# Altium PCB precursor_pvt2b.PcbDoc (part 3 of 7)
Units mm, origin at the board's own origin, x right, y up, seen from the top; angles counter-clockwise.
Board outline 62.8 x 62.65 mm, 6 copper layers (L1, L2, L3, L6, L7, L8), stack 0.693 mm thick; 424 components, 311 nets, 2038 pads, 2293 vias.
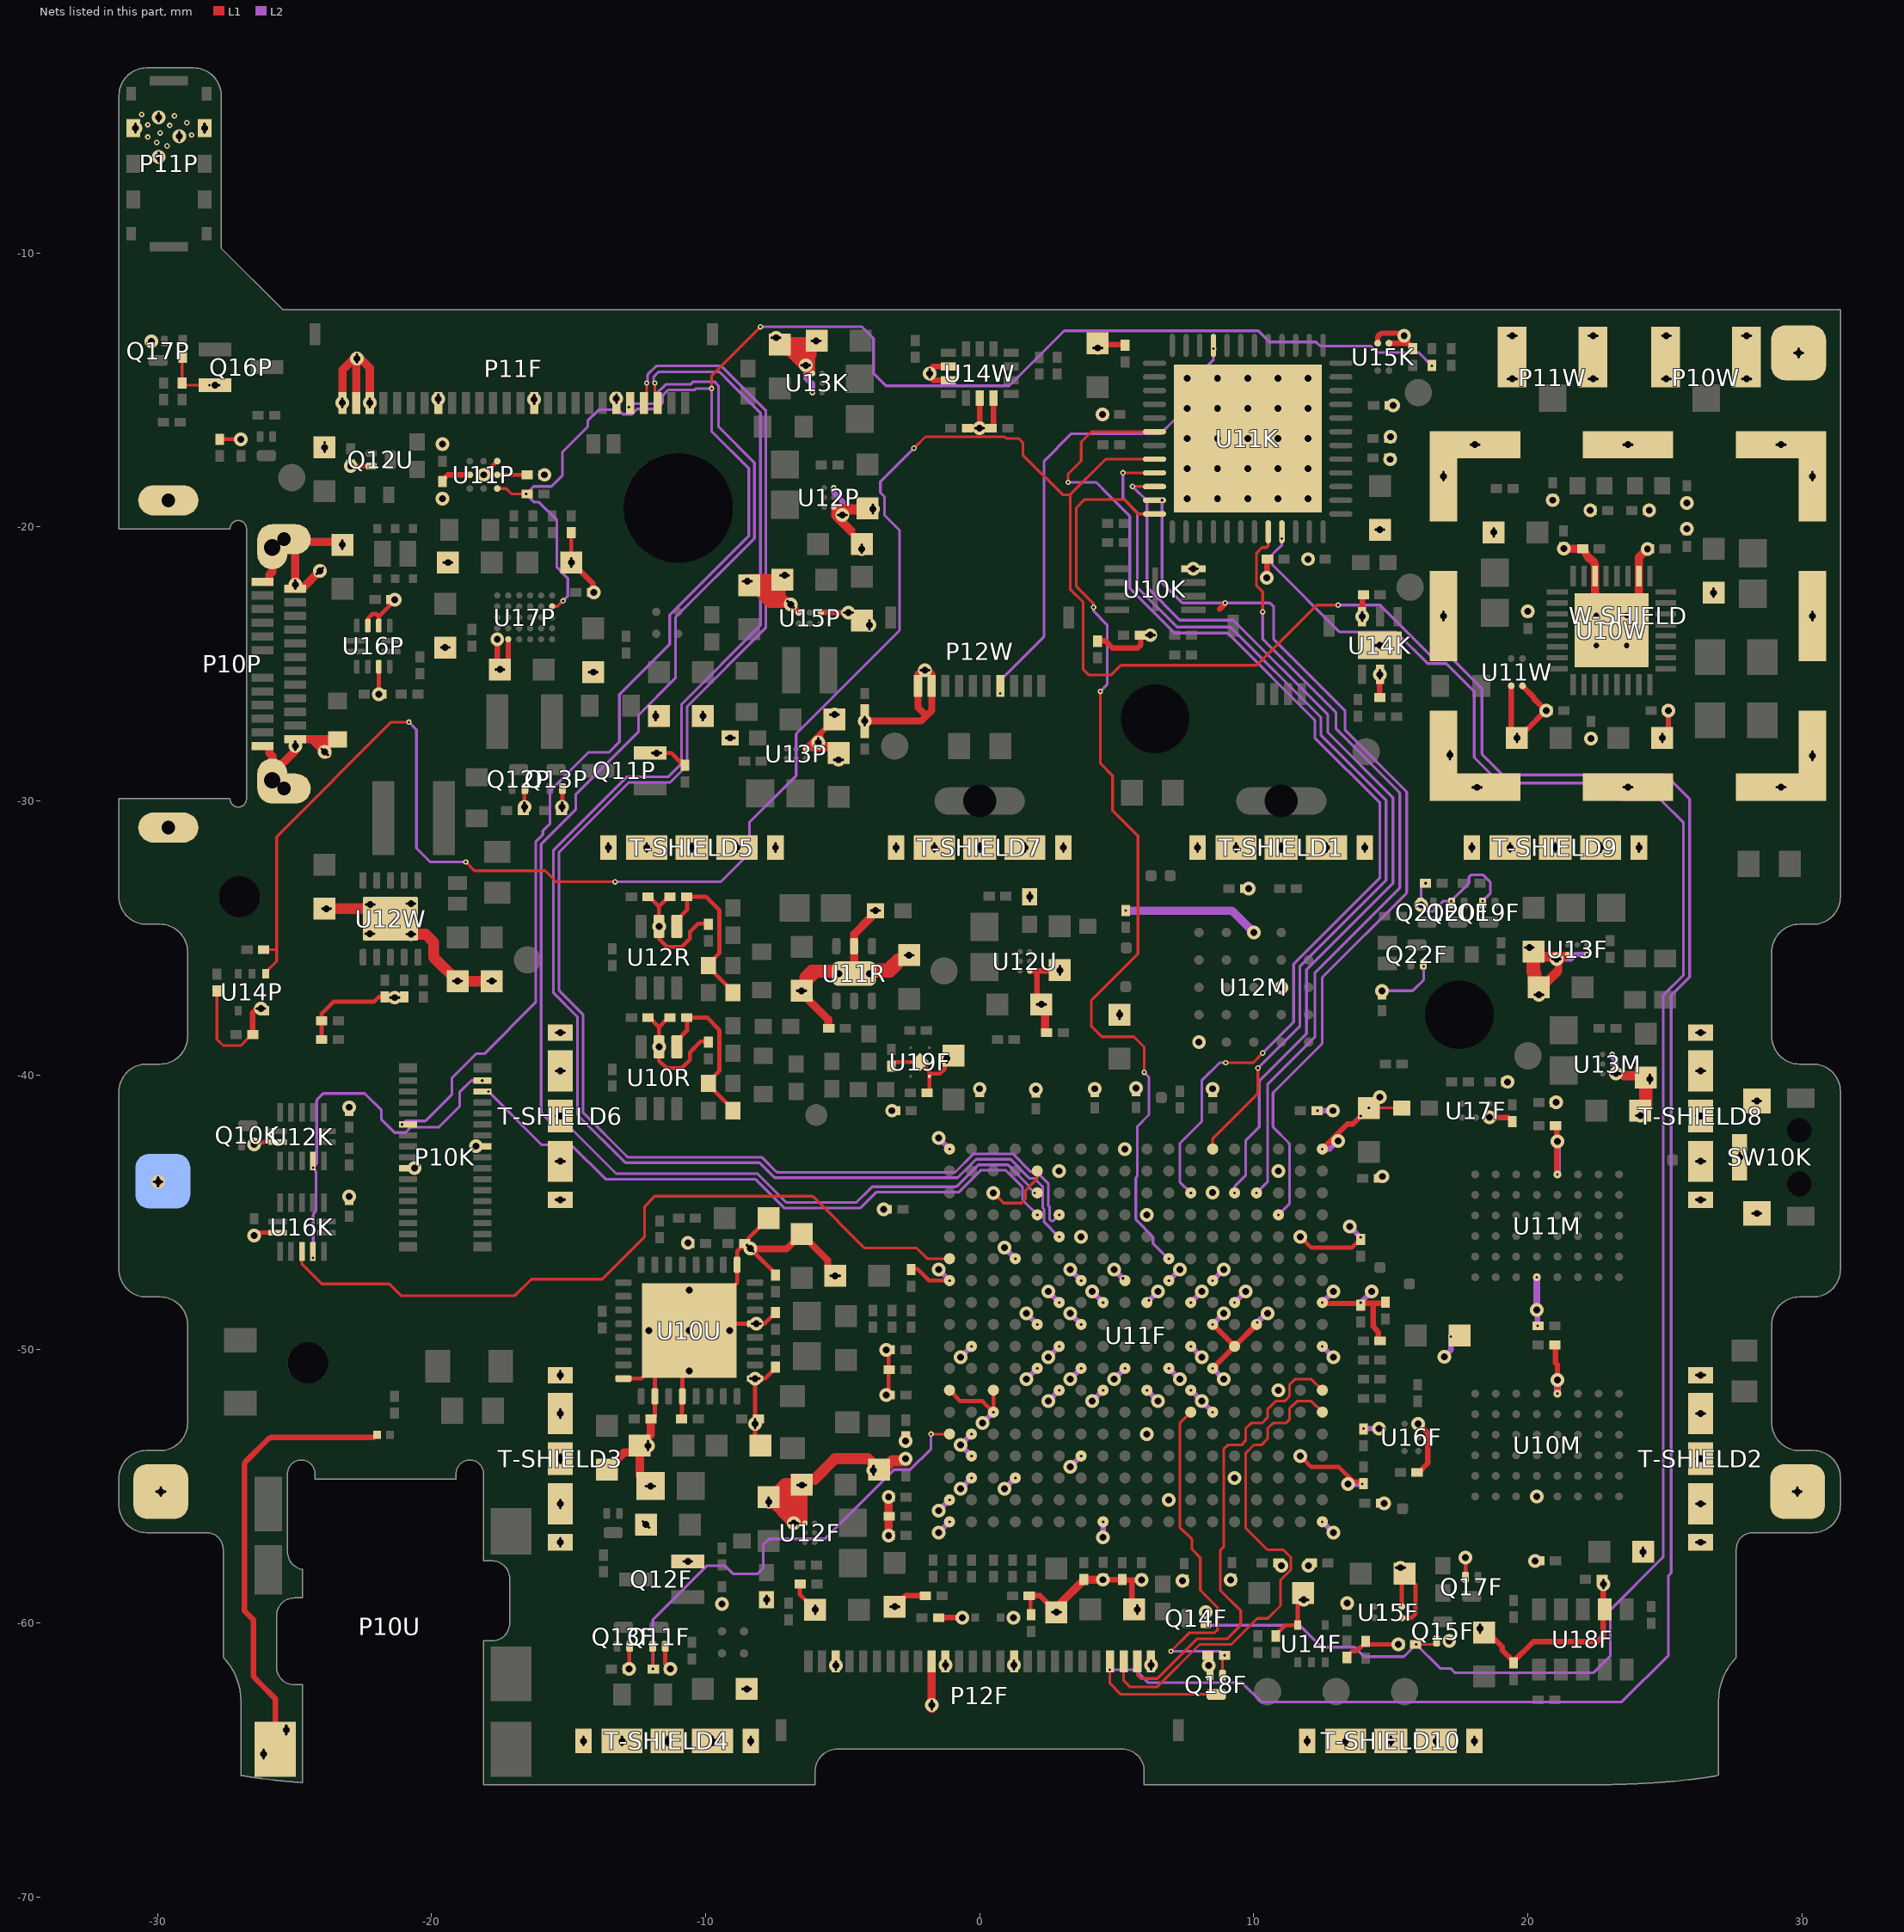
[diagram p7: the nets of this part, all layers, seen from the top]

## Via types
v1: diameter 0.2, hole 0.1, L1 to L2, tented both sides, 1440 vias
v2: diameter 0.5, hole 0.25, L2 to L7, tented both sides, 638 vias
v3: diameter 0.2, hole 0.1, L7 to L8, tented both sides, 179 vias
v4: diameter 0.5, hole 0.25, L1 to L8, 25 vias
v5: diameter 0.5, hole 0.25, L1 to L8, tented top, 5 vias
v6: diameter 0.5, hole 0.2, L1 to L8, 4 vias
v7: diameter 0.4, hole 0.25, L1 to L8, 2 vias

## Nets (pads, with @x,y where several pads share a name; then routed paths per layer and width w, separated by ;. In a path a pad name is that pad's centre, name@x,y a point inside that pad or via, vN(x,y) a via of type N, cw(c..) or ccw(c..) an arc to the next point about the centre after c; other vN are vias at no path point) (continued)
COL8: P10K.14 U11F.E15 | length 23.3
  L2 w0.1: v1(-17.925,-40.6) -15.975,-42.55 -14.9,-42.55 -13.65,-43.8 -8.192,-43.8 -7.142,-44.85 -4.35,-44.85 -3.775,-44.275 -0.767,-44.275 0.033,-43.475 0.95,-43.475 1.533,-44.058 cw(c1.463,-44.129) 1.563,-44.129 1.563,-44.521 ccw(c1.663,-44.521) 1.592,-44.592 v1(2.1,-45.1)
COL9: U11F.A13 U16K.10 | length 27.6
  L1 w0.1: U16K.10@-24.725,-46.44 -24.725,-46.9 -24,-47.625 -21.541,-47.625 -21.116,-48.05 -16.953,-48.05 -16.353,-47.45 -13.774,-47.45 -12.225,-45.901 -12.225,-44.794 -11.856,-44.425 -6.131,-44.425 cw(c-6.131,-44.525) -6.06,-44.455 -4.231,-46.283 ccw(c-4.16,-46.213) -4.16,-46.313 -2.304,-46.313 -1.917,-46.7 U11F.A13@-1.1,-46.7
COL9_MUX: P10K.15 U12K.11 U16K.11 | length 13.9
  L2 w0.1: v1(-24.325,-46.675) ccw(c-24.412,-46.626) -24.312,-46.625 -24.312,-45.104 cw(c-24.212,-45.104) -24.283,-45.033 -24.241,-44.991 ccw(c-24.312,-44.921) -24.212,-44.921 -24.212,-43.556 ccw(c-24.312,-43.556) -24.241,-43.486 -24.325,-43.402 v1(-24.325,-43.375) -24.254,-43.304 -24.186,-43.236 -24.186,-43.14 -24.186,-40.953 cw(c-24.086,-40.953) -24.157,-40.882 -23.95,-40.675 -22.439,-40.675 -21.825,-41.289 -21.825,-41.625 -21.35,-42.1 -20.95,-42.1 -20.75,-41.9 -19.725,-41.9 -18.975,-41.15 -18.975,-40.625 -18.55,-40.2 v1(-18.15,-40.2)
COM_CIPO: U11F.P16 U11K.10 | length 34
  L1 w0.1: v1(5.575,-18.525) 5.576,-18.526 6.374,-18.526 U11K.10@6.376,-18.527
  L2 w0.1: v1(5.575,-18.525) 6.1,-19.05 6.1,-22.2 7.3,-23.4 9.209,-23.4 cw(c9.209,-23.5) 9.28,-23.43 12.67,-26.82 cw(c12.6,-26.891) 12.7,-26.891 12.7,-27.499 15.075,-29.874 15.075,-33.001 11.925,-36.151 11.925,-38.493 10.2,-40.218 10.2,-41.9 9.7,-42.4 9.7,-43.666 9.3,-44.066 v1(9.3,-44.3)
COM_COPI: U11F.N18 U11K.9 | length 33.6
  L1 w0.1: v1(5.225,-18.025) 5.226,-18.026 U11K.9@6.376,-18.027 U11K.9@6.376,-18.027 ; U11F.N18@8.5,-42.7 8.5,-42.325 10.15,-40.675 v1(10.15,-39.75)
  L2 w0.1: v1(5.225,-18.025) 5.225,-18.951 5.75,-19.476 5.75,-22.204 7.196,-23.65 9.105,-23.65 cw(c9.105,-23.75) 9.176,-23.68 12.42,-26.924 cw(c12.35,-26.995) 12.45,-26.995 12.45,-27.603 14.825,-29.978 14.825,-32.897 11.675,-36.047 11.675,-38.225 v1(10.15,-39.75)
COM_CS: U11F.T15 U11K.11 | length 34.4
  L1 w0.1: v1@8.95,-22.8 v1(8.95,-22.775)
  L1 w0.2: 8.75,-23 v1@8.95,-22.8
  L2 w0.1: v1(6.65,-19.025) 6.65,-22.043 7.353,-22.746 ccw(c7.424,-22.675) 7.424,-22.775 v1(8.95,-22.775) 10.545,-22.775 cw(c10.545,-22.875) 10.617,-22.805 10.727,-22.915 10.727,-24.102 13.331,-26.706 13.331,-27.382 ccw(c13.431,-27.382) 13.36,-27.453 15.575,-29.667 15.575,-33.321 cw(c15.475,-33.321) 15.546,-33.392 12.522,-36.415 ccw(c12.593,-36.486) 12.493,-36.486 12.493,-38.813 cw(c12.393,-38.813) 12.463,-38.884 10.729,-40.618 ccw(c10.8,-40.688) 10.7,-40.688 10.7,-41.859 ccw(c10.8,-41.859) 10.729,-41.929 11.27,-42.47 cw(c11.2,-42.541) 11.3,-42.541 11.3,-44.7 v1(10.9,-45.1)
COM_IRQ: U11F.M16 U11K.6 | length 40.8
  L1 w0.1: v1(3.225,-18.375) 3.225,-18.064 3.7,-17.589 3.7,-16.9 4.073,-16.527 U11K.6@6.376,-16.527 ; v1(8.975,-39.55) 9.975,-39.55 v1(10.325,-39.2)
  L2 w0.1: v1(3.225,-18.375) 4.25,-18.375 4.675,-18.8 5.445,-19.57 cw(c5.375,-19.641) 5.475,-19.641 ; 5.475,-19.641 5.475,-22.247 7.103,-23.875 9.012,-23.875 cw(c9.012,-23.975) 9.083,-23.905 12.195,-27.017 cw(c12.125,-27.088) 12.225,-27.087 12.225,-27.696 14.6,-30.071 14.6,-32.804 11.45,-35.954 11.45,-38.075 v1(10.325,-39.2) ; v1(7.7,-44.3) 7.3,-43.9 7.3,-42.5 8.1,-41.7 8.1,-40.2 8.75,-39.55 v1(8.975,-39.55)
COM_SCLK: U11F.R16 U11K.20 | length 28.7
  L1 w0.1: v1(10.321,-23.1) 10.321,-22.371 10.1,-22.15 10.1,-20.95 10.3,-20.75 10.467,-20.75 10.526,-20.691 U11K.20@10.526,-20.177
  L2 w0.1: v1(10.1,-44.3) 10.5,-43.9 10.5,-40.342 12.225,-38.617 12.225,-36.275 15.294,-33.206 ccw(c15.224,-33.135) 15.324,-33.135 15.324,-29.74 ccw(c15.224,-29.74) 15.294,-29.669 13,-27.375 13,-26.816 ccw(c12.9,-26.816) 12.97,-26.745 10.35,-24.125 cw(c10.421,-24.055) 10.321,-24.055 v1(10.321,-23.1)
CRESET_B: P12F.4 Q18F.3 R22P.1 U11K.8 U14P.1 | length 150.6
  L1 w0.1: R22P.1@-26.12,-35.425 -25.658,-35.425 -25.65,-35.417 ; U14P.1@-26.05,-36.3 -26.05,-36.25 -25.65,-35.85 -25.65,-35.417 ; v1(-20.825,-27.125) -21.471,-27.125 -25.65,-31.304 -25.65,-35.417 ; v1(-18.75,-32.225) -18.425,-32.55 -15.85,-32.55 -15.454,-32.946 v1@-13.301,-32.946 ; v1(-2.4,-17.125) -1.985,-16.71 0.91,-16.71 0.975,-16.775 1.425,-16.775 1.575,-16.925 1.575,-17.375 3.025,-18.825 3.3,-18.825 ; P12F.4@4.75,-61.4 v1(4.75,-61.7) 4.75,-62.2 5.15,-62.6 Q18F.3@8.63,-62.6 ; U11K.8@6.376,-17.527 4.598,-17.527 3.3,-18.825 ; v1(13.075,-22.85) 12.3,-22.85 10.1,-25.05 5.15,-25.05 4.8,-25.4 3.975,-25.4 3.775,-25.2 3.775,-22.75 3.3,-22.275 3.3,-18.825
  L2 w0.1: v1(-20.825,-27.125) -20.55,-27.4 -20.55,-31.725 -20.05,-32.225 v1(-18.75,-32.225) ; v1@-13.301,-32.946 -9.446,-32.946 -8.4,-31.9 -8.4,-30.775 -6.7,-29.075 -6.7,-27.55 -2.925,-23.775 -2.925,-20.125 -3.475,-19.575 -3.475,-18.9 -3.625,-18.75 -3.625,-18.35 v1(-2.4,-17.125) ; v1(4.75,-61.7) 5.675,-61.7 6.15,-62.175 9.575,-62.175 10.275,-62.875 23.425,-62.875 25.125,-61.175 25.125,-58.267 25.225,-58.167 25.225,-37.101 25.9,-36.426 25.9,-29.933 25.017,-29.05 19.076,-29.05 18.354,-28.328 cw(c18.425,-28.257) 18.325,-28.257 18.325,-25.932 ccw(c18.225,-25.932) 18.296,-25.861 17.134,-24.7 16.459,-24.7 14.611,-22.852 v1@13.079,-22.852
  other v1: -13.301,-32.951
CRESET_B_F: Q18F.1 R33F.2 U11F.M6 | length 13.5
  L1 w0.1: v1(6.975,-61.025) 7.65,-60.35 8.575,-60.35 8.675,-60.25 8.675,-59.425 8.05,-58.8 8.05,-57.612 7.746,-57.308 7.746,-56.946 7.3,-56.5 7.3,-52.7 U11F.M6@7.7,-52.3 ; Q18F.1@8.86,-61.9 8.86,-61.245 v1(8.93,-61.175)
  L2 w0.1: v1(6.975,-61.025) 8.78,-61.025 v1(8.93,-61.175)
CTR_NOISE0: C15R.2 R17R.1 R18R.2 U12R.1 | length 6.2
  L1 w0.15: U12R.1@-11.05,-34.575 -11.05,-34.35 -10.675,-33.975 -10.675,-33.5 -9.975,-33.5 -9.5,-33.975 -9.5,-35.56 -9.9,-35.96 R17R.1@-9.9,-36 -9.7,-36.2 -9.7,-36.26 -9,-36.96 C15R.2@-9,-37
CTR_NOISE1: C10R.2 R12R.1 R13R.2 U10R.1 | length 6.1
  L1 w0.15: U10R.1@-11.05,-38.975 -11.05,-38.75 -10.675,-38.375 -10.675,-37.9 -9.95,-37.9 -9.5,-38.35 -9.5,-39.86 -9.9,-40.26 R12R.1@-9.9,-40.3 -9.7,-40.5 -9.7,-40.56 -9,-41.26 C10R.2@-9,-41.3
EC_HOLD: U11F.L13 U11K.12 | length 34.7
  L1 w0.1: v1(4.152,-22.928) 4.152,-22.802 3.525,-22.175 3.525,-19.3 3.825,-19 5.25,-19 5.777,-19.527 U11K.12@6.376,-19.527 ; v1(4.4,-26) 4.4,-28.625 4.85,-29.075 4.85,-30.35 5.775,-31.275 5.775,-35.575 4.075,-37.275 4.075,-38.225 4.45,-38.6 5.625,-38.6 6,-38.975 v1(6,-39.9)
  L2 w0.1: v1(4.152,-22.928) 4.152,-23.077 4.65,-23.575 4.65,-25.75 v1(4.4,-26) ; v1(6,-39.9) 6.175,-40.075 6.175,-41.45 5.75,-41.875 5.75,-43.687 5.723,-43.714 ccw(c5.794,-43.785) 5.694,-43.785 5.694,-45.234 ccw(c5.794,-45.234) 5.723,-45.304 6.325,-45.906 6.325,-46.15 6.875,-46.7 v1(6.9,-46.7)
EXTCOMMIN: P12W.7 U11K.45 | length 18.1
  L2 w0.1: v1(0.75,-26.075) 0.75,-25.641 cw(c0.85,-25.641) 0.779,-25.571 2.321,-24.029 ccw(c2.25,-23.959) 2.35,-23.959 2.35,-17.592 3.342,-16.6 6.6,-16.6 7.1,-16.1 7.85,-16.1 8.227,-15.723 8.227,-14.198 8.53,-13.895 v1(8.53,-13.498)
F_UART_RX: P12F.2 U11F.V7 | length 17.4
  L1 w0.1: P12F.2@5.75,-61.4 5.75,-61.9 5.875,-62.025 6.475,-62.025 7.925,-60.575 9.025,-60.575 9.525,-60.075 9.525,-59.55 8.775,-58.8 8.775,-57.35 8.9,-57.225 8.9,-53.65 9.05,-53.5 9.55,-53.5 9.7,-53.35 9.7,-52.9 9.9,-52.7 10.3,-52.7 10.5,-52.5 10.5,-52.198 10.798,-51.9 11.125,-51.9 11.3,-51.725 11.3,-51.3 11.5,-51.1 12.1,-51.1 U11F.V7@12.5,-51.5
F_UART_TX: P12F.3 U11F.V6 | length 18.7
  L1 w0.1: P12F.3@5.25,-61.4 5.25,-62.1 5.475,-62.325 6.475,-62.325 8.025,-60.775 9.175,-60.775 10.125,-59.825 10.512,-59.825 10.975,-59.362 10.975,-58.425 11.35,-58.05 11.35,-57.6 11.075,-57.325 10.5,-57.325 9.7,-56.525 9.7,-53.798 9.953,-53.545 9.955,-53.545 10,-53.5 10.276,-53.5 10.5,-53.276 10.5,-52.9 10.7,-52.7 11.175,-52.7 11.3,-52.575 11.3,-52.175 11.575,-51.9 12.1,-51.9 U11F.V6@12.5,-52.3
FPGA_DIS: Q14F.1 Q15F.1 R23F.2 U11K.21 | length 69.7
  L1 w0.1: v1(15.925,-60.775) 16.596,-60.775 16.67,-60.701 Q15F.1@16.67,-60.65
  L2 w0.1: v1(8.35,-60.075) 11.671,-60.075 12.471,-60.875 13.675,-60.875 14.025,-61.225 15.475,-61.225 v1(15.925,-60.775) 16.8,-61.65 17.175,-61.65 17.31,-61.785 ccw(c17.381,-61.714) 17.381,-61.814 22.348,-61.814 ccw(c22.348,-61.714) 22.419,-61.785 23.001,-61.203 23.001,-59.524 24.901,-57.624 ccw(c24.83,-57.553) 24.93,-57.553 24.93,-54.064 24.93,-37.095 25.675,-36.35 25.675,-30.79 24.835,-29.95 23.45,-29.95 22.85,-29.35 18.975,-29.35 18.07,-28.445 cw(c18.141,-28.375) 18.041,-28.375 18.041,-26.05 ccw(c17.941,-26.05) 18.012,-25.979 17.017,-24.984 16.342,-24.984 15.194,-23.836 13.136,-23.836 10.675,-21.375 10.675,-21.002 11.025,-20.652 v1(11.025,-20.425)
FPGA_SYS_ON: Q11F.1 R14F.2 U11F.A5 | length 17.3
  L1 w0.1: Q11F.1@-11.93,-60.85 -11.93,-61.67 R14F.2@-11.925,-61.675 ; v1(-1.775,-53.1) U11F.A5@-1.1,-53.1
  L2 w0.1: v1(-11.92,-61.665) -11.92,-59.87 -9.95,-57.9 -9.3,-57.9 -9,-58.2 -8.1,-58.2 -7.9,-58 -7.9,-57.15 -7.675,-56.925 -5.65,-56.925 -3.125,-54.4 -2.875,-54.4 -2.534,-54.4 -1.775,-53.641 v1(-1.775,-53.1)
GG_BIN: R20P.1 U11P.B1 | length 1.1
  L1 w0.15: U11P.B1@-17.6,-18.1 R20P.1@-16.525,-18.1
GG_INT: P10K.26 R18P.2 R23K.1 U11P.A1 U17P.F4 | length 79.8
  L1 w0.1: U11P.A1@-17.6,-18.6 -17.275,-18.6 -17.075,-18.8 v1(-16.55,-18.8) ; U17P.F4@-15.6,-22.9 -15.4,-22.9 v1(-15.2,-22.7) ; v1(-9.779,-14.95) -9.775,-14.947 -9.775,-14.517 cw(c-9.675,-14.517) -9.746,-14.446 v1(-7.998,-12.698)
  L2 w0.1: v1(-21.075,-41.8) -20.95,-41.675 -20.225,-41.675 -19.25,-40.7 -19.25,-40.1 -18.375,-39.225 -18.075,-39.225 -16.2,-37.35 -16.2,-31.492 -15.934,-31.226 -15.934,-31.084 -15.675,-30.825 -15.675,-29.625 -14.275,-28.225 -13.525,-28.225 -13.143,-27.843 -13.143,-26.118 -11.309,-24.284 -11.309,-23.785 -11.309,-23.215 -8.425,-20.33 -8.425,-17.867 -9.779,-16.514 -9.779,-14.992 -9.775,-14.989 -9.775,-14.95 v1(-9.779,-14.95) -10.351,-14.95 -10.401,-15 -11.367,-15 -11.575,-15.208 -11.575,-15.475 -11.8,-15.7 -12.5,-15.7 -12.686,-15.886 -13.014,-15.886 -13.175,-15.725 -13.9,-15.725 -14.3,-16.125 -14.3,-16.35 -15.225,-17.275 -15.225,-18.125 -15.625,-18.525 -16.275,-18.525 v1(-16.55,-18.8) -16.25,-19.1 -16.075,-19.1 -15.425,-19.75 -15.425,-21.475 -15.025,-21.875 -15.025,-22.525 v1(-15.2,-22.7) ; v1(-7.998,-12.698) -7.996,-12.696 -4.301,-12.696 -3.877,-13.12 -3.877,-14.398 -3.425,-14.85 1.075,-14.85 3.052,-12.873 cw(c3.123,-12.944) 3.123,-12.844 10.127,-12.844 cw(c10.127,-12.944) 10.198,-12.873 10.575,-13.25 12.271,-13.25 12.421,-13.4 14.275,-13.4 14.508,-13.633 16.008,-13.633 v1(16.5,-14.125)
GG_VDD: C22P.1 U11P.B3 | length 1.1
  L1 w0.2: C22P.1@-19.6,-18.325 -19.6,-18.3 -19.4,-18.1 U11P.B3@-18.6,-18.1
GND: C10K.2 C10M.2 C10P.2 C10W.2 C11K.2 C11M.2 C11P.2 C11W.2 C12K.2 C12M.2 C12P.2 C12R.1 C12U.2 C12W.2 C13K.2 C13M.2 C13R.2 C13U.2 C13W.2 C14F.2 C14K.2 C14M.2 C14R.2 C14U.2 C14W.2 C15F.2 C15K.2 C15M.1 C15W.2 C16F.2 C16K.2 C16M.2 C16W.2 C17F.2 C17K.2 C17M.2 C17R.1 C17W.2 C18F.2 C18K.2 C18M.2 C18R.1 C18W.2 C19F.2 C19K.2 C19M.2 C19P.2 C19W.2 C20F.2 C20K.2 C20M.2 C20P.2 C20W.2 C21F.2 C21K.2 C21P.1 C21U.2 C21W.2 C22F.1 C22K.2 C22P.2 C22U.2 C22W.2 C23F.2 C23K.2 C23P.2 C23W.2 C24F.2 C24K.2 C24P.2 C24W.2 C25F.2 C25K.2 C25P.2 C25W.2 C26F.2 C26K.2 C26P.2 C26W.2 C27F.1 C27K.2 C27P.2 C27U.2 C27W.2 C28F.2 C28P.2 C28W.2 C29F.2 C29P.2 C29U.2 C29W.1 C30F.1 C30P.2 C30W.1 C31F.2 C31P.2 C31U.2 C31W.2 C32F.2 C32U.2 C32W.2 C33F.2 C33P.2 C33U.1 C33W.2 C34F.2 C34P.2 C34U.2 C35F.2 C35P.1 C35U.2 C36F.2 C36P.2 C36U.2 C37F.1 C37P.2 C37U.1 C38F.2 C38U.2 C39F.2 C40F.1 C41F.2 C42F.2 C43F.2 C44F.2 C45F.2 C46F.2 C47F.1 C48F.2 C49F.2 C50F.2 C51F.2 C52F.1 C53F.2 C54F.2 C55F.1 C56F.2 C57F.2 C58F.2 C59F.2 C60F.2 C61F.2 C62F.2 C63F.2 C64F.2 C65F.2 C66F.2 C67F.1 C68F.2 C69F.1 C70F.1 C71F.1 C72F.2 C73F.2 C74F.2 C75F.2 D10P.1 D11P.1 D11U.1 D12P.1 L11F.1 P10K.9 P10K.22 P10P.0 P10P.A1 P10P.A12 P10P.B1 P10P.B12 P10P.MID P10U.4 P10W.GND P11F.1 P11F.2 P11F.3 P11F.8 P11F.15 P11F.21 P11P.5 P11P.6 P11W.GND P12F.1 P12F.11 P12F.16 P12F.17 P12F.24 P12W.1 P12W.2 Q10K.2 Q11F.2 Q11P.2 Q12F.2 Q12P.2 Q12U.2 Q13F.2 Q13P.2 Q14F.2 Q15F.2 Q16P.2 Q17F.2 Q17P.2 Q18F.2 Q19F.2 Q20F.2 Q21F.2 Q22F.2 R10U.2 R11F.2 R11W.2 R12M.2 R13R.1 R14F.1 R14K.1 R14P.2 R14R.1 R14W.1 R15K.1 R16P.1 R16W.2 R17F.1 R18F.1 R18R.1 R19R.1 R20P.2 R20R.1 R23F.1 R23P.2 R25K.2 R25P.2 R26K.2 R26P.1 R26U.1 R27F.2 R27U.1 R28F.1 R28P.2 R29P.2 R33F.1 R35F.2 R36P.1 R39P.1 R40P.1 R41F.1 R42P.1 SW10K.2 SW10K.3 SW10K.4 T-SHIELD1.1 T-SHIELD2.1 T-SHIELD3.1 T-SHIELD4.1 T-SHIELD5.1 T-SHIELD6.1 T-SHIELD7.1 T-SHIELD8.1 T-SHIELD9.1 T-SHIELD10.1 TP12P.1 TP13P.1 TP14P.1 TP15P.1 U10K.4 U10M.D1 U10M.E6 U10R.2 U10U.1 U10U.16 U10U.18 U10U.20 U10U.25 U10U.29 U10U.33 U10W.10 U10W.14 U10W.33 U11F.A1 U11F.A2 U11F.A7 U11F.A12 U11F.A18 U11F.B3 U11F.B4 U11F.B5 U11F.B9 U11F.C6 U11F.C7 U11F.C16 U11F.D3 U11F.D13 U11F.E8 U11F.E10 U11F.E17 U11F.F7 U11F.F9 U11F.F11 U11F.F17 U11F.G4 U11F.G8 U11F.G10 U11F.G12 U11F.G14 U11F.H1 U11F.H7 U11F.H11 U11F.J8 U11F.J12 U11F.J18 U11F.K5 U11F.K7 U11F.K11 U11F.K15 U11F.L2 U11F.L8 U11F.L12 U11F.M7 U11F.M9 U11F.M11 U11F.N6 U11F.N8 U11F.N10 U11F.N12 U11F.N16 U11F.P3 U11F.P9 U11F.P11 U11F.R10 U11F.T7 U11F.T17 U11F.U4 U11F.U14 U11F.V1 U11F.V9 U11F.V11 U11F.V18 U11K.PADDLE U11M.D1 U11M.E6 U11P.B2 U11P.C1 U11R.5 U11R.7 U11W.1 U11W.4 U12F.A1 U12K.7 U12M.B3 U12M.C1 U12M.E5 U12P.A1 U12P.C1 U12R.2 U12U.A1 U12W.11 U13F.A1 U13F.C1 U13K.A1 U13K.C1 U13M.A1 U13M.C1 U13P.A1 U14F.5 U14K.3 U14K.5 U14K.7 U14P.5 U14W.2 U14W.3 U14W.6 U14W.7 U15F.1 U15F.4 U15K.1 U15K.4 U15P.A2 U15P.C2 U16F.C1 U16K.7 U16P.5 U16P.10 U16P.11 U17F.C1 U17P.A1 U17P.B1 U18F.7 U19F.2 U19F.EP W-SHIELD.1 | length 324.6
  L1 w0.1: R42P.1@-29.075,-13.805 -29.1,-13.83 C11P.2@-29.1,-14.745 -29.02,-14.825 v2(-27.9,-14.825) ; C27P.2@-27.825,-36.93 -27.825,-38.7 -27.6,-38.925 -26.953,-38.925 -26.775,-38.747 -26.775,-38.735 -26.565,-38.525 C26P.2@-26.52,-38.525 ; C28P.2@-4.6,-23.125 C28P.2@-4.3,-23.425 ; v2(0.5,-44.3) 0.875,-44.675 1.525,-44.675 1.675,-44.525 1.675,-44.248 cw(c1.775,-44.248) 1.704,-44.177 2.071,-43.811 ccw(c2,-43.74) 2.1,-43.74 U11F.E17@2.1,-43.5 ; v1(14.2,-41.2) R41F.1@15.4,-41.2 ; Q21F.2@16.09,-33.8 Q21F.2@16.09,-33.725 ; Q19F.2@18.266,-33.867 18.34,-33.793 Q19F.2@18.34,-33.725
  L1 w0.15: R36P.1@-27.725,-16.8 -26.969,-16.8 v1(-26.96,-16.809) ; R14K.1@-26.475,-45.875 v1(-26.475,-45.862) -26.475,-45.85 -26.375,-45.75 U16K.7@-25.615,-45.75 ; Q10K.2@-26.47,-42.55 v1(-26.47,-42.525) -26.47,-42.5 -26.42,-42.45 U12K.7@-25.615,-42.45 ; R26K.2@-24.005,-38.7 R25K.2@-24.005,-38.025 -24.005,-37.755 -23.575,-37.325 -22.1,-37.325 -21.93,-37.155 R16W.2@-21.7,-37.155 ; v2(-22.949,-17.776) v2(-22.949,-17.776) -22.948,-17.777 -22.203,-17.777 Q12U.2@-22.2,-17.78 ; U16P.11@-22.325,-23.6 -22.3,-23.575 -22.3,-23.325 -22.15,-23.175 -22.025,-23.175 -21.925,-23.275 ; R14P.2@-21.929,-26.109 v2(-21.921,-26.109) -21.914,-26.109 R14P.2@-21.829,-26.024 ; R14P.2@-21.925,-26.015 U16P.5@-21.925,-25.1 ; U16P.10@-21.925,-23.6 -21.925,-23.275 ; R16W.2@-21.7,-37.2 R16W.2@-21.7,-37.175 ; C36P.2@-21.425,-22.65 -21.44,-22.65 -21.525,-22.735 -21.525,-22.875 -21.925,-23.275 ; v2(-18.1,-18.1) U11P.C1@-17.6,-17.6 ; R26P.1@-16.63,-30.35 -16.612,-30.333 -16.612,-29.567 Q12P.2@-16.595,-29.55 ; R29P.2@-15.23,-30.35 -15.227,-30.347 -15.227,-29.552 Q13P.2@-15.225,-29.55 ; v2(-14.9,-21.3) R40P.1@-14.9,-20.225 ; C14U.2@-13.6,-54.4 C14U.2@-13.275,-54.075 ; U10U.16@-13,-51.075 -12.35,-51.075 U10U.33@-11.85,-50.575 ; R28F.1@-12.8,-61.675 v1(-12.793,-61.667) -12.785,-61.66 -12.785,-60.865 Q13F.2@-12.77,-60.85 ; L11F.1@-12.4,-54.61 v2(-12.01,-55) ; R14R.1@-12.075,-37.9 -12.05,-37.9 -11.7,-38.25 ; R19R.1@-12.075,-33.5 -12.05,-33.5 -11.7,-33.85 ; Q11P.2@-12.025,-28.25 -11.25,-28.25 -10.925,-28.575 -10.835,-28.575 -10.75,-28.66 R25P.2@-10.75,-28.675 ; C37U.1@-11.995,-52.55 -11.95,-52.55 -11.85,-52.45 U10U.18@-11.85,-51.725 U10U.33@-11.85,-50.575 ; Q11F.2@-11.47,-60.85 -11.47,-61.505 -11.3,-61.675 v1(-11.287,-61.675) R14F.1@-11.275,-61.675 ; R13R.1@-11.325,-37.9 -11.35,-37.9 -11.7,-38.25 ; R18R.1@-11.325,-33.5 -11.35,-33.5 -11.7,-33.85 ; C34U.2@-10.88,-52.55 -10.865,-52.535 -10.865,-51.74 U10U.20@-10.85,-51.725 U10U.33@-10.85,-49.575 ; C12R.1@-9.9,-38.775 -10.175,-38.775 -10.575,-39.175 -10.575,-39.45 -10.875,-39.75 -11.425,-39.75 -11.7,-39.475 v1(-11.7,-38.975) -11.7,-38.25 ; C17R.1@-9.9,-34.475 -10.275,-34.475 -10.575,-34.775 -10.575,-35.025 -10.875,-35.325 -11.4,-35.325 -11.7,-35.025 v1(-11.7,-34.575) -11.7,-33.85 ; C35U.2@-8,-53.525 -8.2,-53.325 v2(-8.2,-51.075) -7.825,-51.075 -7.45,-50.7 C27U.2@-7.45,-50.655 ; C13U.2@-7.7,-45.225 -8.44,-45.965 -8.44,-46.065 C36U.2@-8.525,-46.15 ; C29U.2@-7.45,-48.67 -7.45,-48.715 -7.535,-48.8 -7.582,-48.8 -7.857,-49.075 U10U.29@-8.2,-49.075 U10U.33@-10.35,-49.075 ; R26U.1@-7.45,-47.295 -7.45,-47.25 v1(-8.262,-46.438) -8.44,-46.26 -8.44,-46.235 C36U.2@-8.525,-46.15 ; R35F.2@-6.567,-58.569 -6.567,-58.943 v2(-6.002,-59.509) ; C73F.2@-3.325,-51.675 C67F.1@-3.325,-50.025 ; C70F.1@-3.225,-39.68 -3.225,-39.635 -3.115,-39.525 U19F.EP@-2.175,-39.525 ; C58F.2@-2.5,-47.075 -2.275,-47.075 -1.85,-47.5 v1(-1.1,-47.5) ; U19F.EP@-2.016,-39.684 -1.836,-39.864 -1.836,-39.955 ; C69F.1@-1.92,-40.65 -1.836,-40.566 U19F.2@-1.836,-40.045 -1.836,-39.955 ; U11F.A7@-1.1,-51.5 -0.7,-51.9 0.1,-51.9 v1(0.5,-52.3) U11F.C7@0.5,-51.5 ; C46F.2@-0.95,-39.3 -1.275,-39.625 -1.275,-39.775 -1.455,-39.955 -1.836,-39.955 ; C28F.2@1.825,-59 1.85,-59.025 1.85,-59.65 C37F.1@1.875,-59.675 ; C20F.2@5.55,-59.425 C20F.2@5.625,-59.5 ; R33F.1@8.32,-61.175 8.36,-61.215 8.36,-61.86 Q18F.2@8.4,-61.9 ; C25K.2@10.8,-60.47 10.8,-60.425 11.15,-60.075 U14F.5@11.6,-60.075 11.6,-59.1 C39F.2@11.8,-58.9 ; v2(11.7,-53.9) 12.1,-54.3 13.1,-54.3 13.63,-54.83 13.93,-54.83 14,-54.9 13.963,-54.937 13.953,-54.928 v1(13.951,-54.928) ; v2(11.7,-45.9) 12.1,-46.3 13.575,-46.3 13.79,-46.085 13.83,-46.085 C57F.2@13.9,-46.015 ; C33F.2@13.4,-61.255 13.4,-61.21 13.585,-61.025 13.718,-61.025 13.843,-60.9 13.89,-60.9 14.075,-60.715 C34F.2@14.075,-60.69 ; C57F.2@13.9,-45.965 v1(13.9,-45.925) ; C34F.2@14.075,-60.67 C34F.2@14.075,-60.69 ; R23F.1@15.295,-60.775 v1(15.275,-60.775) 14.16,-60.775 C34F.2@14.075,-60.69 ; U15F.4@15.4,-59.805 15.745,-59.805 15.9,-59.65 15.9,-58.6 C53F.2@15.5,-58.2 15.4,-58.3 U15F.1@15.4,-59.395 ; Q17F.2@17.72,-58.325 17.725,-58.32 v2(17.725,-57.6) ; U10U.33@-11.85,-50.575 U10U.33@-10.85,-49.575 ; U10U.33@-10.85,-49.575 v5(-10.6,-49.325) U10U.33@-10.35,-49.075 ; U10U.33@-10.35,-49.075 -8.85,-47.575 U10U.1@-8.85,-46.925 -8.85,-46.432 -8.7,-46.282 -8.7,-46.235 -8.615,-46.15 C36U.2@-8.57,-46.15 C36U.2@-8.525,-46.15
  L1 w0.2: v1(-30.215,-13.234) Q17P.2@-30.205,-13.225 ; R36P.1@-27.725,-16.78 R36P.1@-27.715,-16.771 ; v1(-26.96,-16.809) R16P.1@-26.95,-16.8 ; C26P.2@-26.52,-38.525 -26.52,-37.72 v1(-26.375,-37.575) v1(-26.075,-37.575) -26.05,-37.6 U14P.5@-26.05,-37.65 ; P10U.4@-25.7,-64.2 -25.7,-62.75 -26.275,-62.175 -26.441,-62.009 cw(c-26.3,-61.867) -26.5,-61.867 -26.5,-59.875 -26.825,-59.55 -26.825,-54.233 cw(c-26.625,-54.233) -26.766,-54.091 -25.959,-53.284 cw(c-25.817,-53.425) -25.817,-53.225 -22.168,-53.225 ccw(c-22.168,-53.025) -22.026,-53.166 D11U.1@-21.985,-53.125 ; -23.924,-28.176 -23.901,-28.176 -23.625,-27.9 -23.475,-27.75 D12P.1@-23.425,-27.75 ; R27U.1@-22.958,-17.767 v2(-22.949,-17.776) ; v2(-21.921,-26.109) R14P.2@-21.911,-26.1 ; R16W.2@-21.7,-37.175 v1(-21.492,-37.175) v1(-21.192,-37.175) C33W.2@-21,-37.175 ; v2(-21.345,-22.659) C36P.2@-21.336,-22.649 ; v2(-19.6,-18.975) C22P.2@-19.59,-18.966 ; v2(-19.6,-16.975) C21P.1@-19.59,-16.966 ; v2(-18.1,-18.1) U11P.B2@-18.09,-18.091 ; v2(-17.6,-24.1) -17.6,-25.1 C33P.2@-17.5,-25.2 -17.2,-24.9 U17P.B1@-17.2,-24.1 ; v2(-15.875,-18.1) R20P.2@-15.865,-18.091 ; v2(-14.9,-21.3) C35P.1@-14.828,-21.372 ; C35P.1@-14.875,-21.3 -14.816,-21.359 -14.109,-22.066 R39P.1@-14.109,-22.392 ; v1(-14.085,-22.392) R39P.1@-14.075,-22.383 ; v2(-7.7,-55.575) -6.925,-56.35 v1@-6.65,-56.35 ; C15F.2@-7.384,-55.57 -7.384,-55.575 -7.384,-55.616 v1@-6.65,-56.35 ; C16F.2@-6.55,-55.3 -6.55,-55.575 -6.55,-55.9 -6.375,-56.075 ; C16F.2@-6.5,-54.95 -6.375,-55.075 -6.375,-56.075 ; C22K.2@-5.95,-13.2 -5.98,-13.23 -6.025,-13.275 -6.095,-13.345 C22K.2@-6.1,-13.35 ; U15P.C2@-5.8,-23.125 C28P.2@-4.6,-23.125 ; C23P.2@-5.3,-27.025 -5.801,-27.526 ; C24P.2@-5.15,-28.25 C24P.2@-5.3,-28.1 ; C20P.2@-4.3,-20.625 C20P.2@-4.639,-20.286 ; v2(-3.1,-59.4) -2.7,-59 C22F.1@-2,-59 ; C68F.2@-1.475,-59.8 v2(-0.635,-59.8) ; U14W.3@-1.15,-14.65 -1.708,-14.65 -1.825,-14.533 -1.825,-14.267 -1.708,-14.15 U14W.2@-1.15,-14.15 ; U14W.6@0,-15.3 0,-16.283 ; U14W.7@0.5,-15.3 0.5,-16.325 0.425,-16.4 v1@0.117,-16.4 ; C28F.2@1.825,-59 2.2,-59 v2(2.8,-59.6) ; U12U.A1@1.825,-36.2 2.089,-36.2 ; v2(2.25,-37.425) 2.089,-37.264 2.089,-36.2 ; v2(2.925,-36.175) 2.9,-36.2 2.089,-36.2 ; C28W.2@4.3,-24.15 4.575,-24.15 4.85,-24.425 5.758,-24.425 5.875,-24.308 5.875,-23.95 v1@6.375,-23.95 ; C11K.2@4.3,-13.45 C11K.2@4.35,-13.5 ; C11K.2@4.35,-13.35 C20K.2@5.3,-13.35 ; v2(4.5,-58.415) 4.505,-58.42 5.195,-58.42 5.2,-58.425 5.55,-58.425 ; C20F.2@5.55,-59.425 5.55,-58.425 ; v1(5.9,-58.425) 5.55,-58.425 ; C52F.1@7.464,-58.462 C52F.1@7.524,-58.522 ; v1(8.5,-50.7) U11F.P9@9.3,-49.9 ; v1(8.5,-49.1) U11F.P9@9.3,-49.9 ; C41F.2@9.14,-58.485 C41F.2@9.2,-58.425 ; v1(10.125,-49.025) 10.125,-49.075 U11F.P9@9.3,-49.9 ; v2(10.475,-21.85) C14K.2@10.475,-21.175 ; v1(12.5,-42.7) 13.417,-41.783 13.617,-41.783 v1(14.2,-41.2) ; U11F.V11@12.537,-48.337 13.863,-48.337 13.9,-48.375 13.9,-48.37 13.945,-48.325 14.35,-48.325 ; U14K.3@13.95,-23.275 13.962,-23.263 13.962,-22.488 C23K.2@13.975,-22.475 ; U15K.1@14.52,-13.297 14.52,-13.131 cw(c14.72,-13.131) 14.708,-12.931 14.714,-12.931 15.323,-12.931 cw(c15.323,-13.131) 15.464,-12.989 15.484,-13.009 v2(15.484,-13.019) 15.484,-13.297 ; C24K.2@14.575,-26.225 14.587,-26.213 14.587,-25.388 U14K.5@14.6,-25.375 ; R18F.1@14.625,-49.7 cw(c14.74,-49.536) 14.54,-49.536 14.54,-49.451 ccw(c14.34,-49.45) 14.481,-49.308 14.409,-49.235 cw(c14.55,-49.094) 14.35,-49.094 14.35,-48.325 ; R17F.1@14.8,-48.275 14.8,-48.28 14.755,-48.325 14.35,-48.325 ; U15K.4@14.93,-13.297 15.484,-13.297 ; C27K.2@15.8,-13.475 15.8,-13.45 15.647,-13.297 15.484,-13.297 ; C15M.1@15.975,-54.5 16.015,-54.5 16.35,-54.165 16.35,-53.075 v2(16,-52.725) ; Q21F.2@16.09,-33.725 Q21F.2@16.115,-33.7 ; C64F.2@18.4,-60.2 19.058,-60.858 19.058,-60.982 C65F.2@19.475,-61.4 ; v2(18.6,-41.55) 19.275,-41.55 19.425,-41.7 R27F.2@19.425,-41.725 ; U11W.4@19.39,-25.8 19.39,-27.49 v2(19.6,-27.7) 19.9,-27.4 19.95,-27.4 C22W.2@20.65,-26.7 ; C65F.2@19.475,-61.425 C65F.2@19.475,-61.4 ; U11W.1@19.8,-25.8 20.2,-26.2 20.2,-26.25 C22W.2@20.65,-26.7 ; C18F.2@20.2,-35.5 C18F.2@20.3,-35.6 ; v2(20.325,-55.375) U10M.D1@20.342,-55.392 ; C17F.2@20.4,-36.8 20.468,-36.732 cw(c20.609,-36.874) 20.609,-36.674 20.644,-36.674 ccw(c20.644,-36.474) 20.785,-36.615 20.978,-36.422 21.096,-36.304 ccw(c20.956,-36.162) 21.156,-36.162 21.156,-35.975 ccw(c21.272,-36.137) 21.072,-36.128 ; C22W.2@20.675,-26.7 v2(20.663,-26.7) C22W.2@20.65,-26.7 ; C17F.2@20.7,-36.5 21.072,-36.128 ; C13M.2@21,-49.85 21,-50.5 21.075,-50.575 v1(21.075,-51.625) ; C11M.2@21.025,-41.85 21.058,-41.883 21.058,-43.608 v1(21.075,-43.625) ; 21.075,-36.125 21.072,-36.128 ; 21.156,-35.894 U13F.A1@21.45,-35.6 21.123,-35.6 ; C66F.2@22.725,-58.4 22.75,-58.425 22.75,-60.45 22.525,-60.675 20.2,-60.675 C65F.2@19.475,-61.4 ; U13M.A1@23.075,-39.95 v1@23.344,-39.95 ; v2(24.9,-27.7) 25.125,-27.475 v2(25.125,-26.7) ; v1@-6.65,-56.35 U12F.A1@-6.375,-56.35 -6.375,-56.075 ; -6.126,-28.1 C24P.2@-5.3,-28.1 ; -6.126,-28.1 -5.976,-27.95 ; -6.126,-28.1 U13P.A1@-6.35,-28.1 -6.35,-28.075 -5.801,-27.526 ; C22K.2@-6.1,-13.35 U13K.A1@-6.1,-14.4 -6.25,-14.4 -7.1,-13.55 C21K.2@-7.3,-13.35 C22K.2@-6.1,-13.35 ; -5.976,-27.95 -5.7,-27.95 -5.45,-27.95 C24P.2@-5.3,-28.1 ; -5.976,-27.95 -5.801,-27.775 -5.801,-27.526 ; -5.325,-19.425 -4.639,-20.111 C20P.2@-4.639,-20.286 ; -5.325,-19.425 -5.325,-19.6 C20P.2@-4.639,-20.286 ; -5.325,-19.425 U12P.A1@-5.325,-19.275 U12P.A1@-5.275,-19.275 ; U12P.A1@-5.275,-19.275 -4.15,-19.275 C19P.2@-4.1,-19.325 -4.225,-19.45 -5.1,-19.45 U12P.A1@-5.275,-19.275 ; 0,-16.283 -0.1,-16.383 -0.408,-16.383 -0.425,-16.4 v1@0.117,-16.4 ; 0,-16.283 v1@0.117,-16.4 ; C18F.2@20.3,-35.6 21.123,-35.6 ; C18F.2@20.3,-35.6 20.463,-35.763 21.156,-35.763 21.156,-35.633 21.123,-35.6 ; v1@23.344,-39.95 23.494,-40.1 23.763,-40.1 ; v1@23.344,-39.95 23.613,-39.95 ; 23.613,-39.95 23.763,-40.1 ; 23.613,-39.95 24.15,-39.95 C19M.2@24.3,-40.1 23.763,-40.1